# Allegro board T736_DEMO_DBOARD_V0-5-draft.brd (continued)
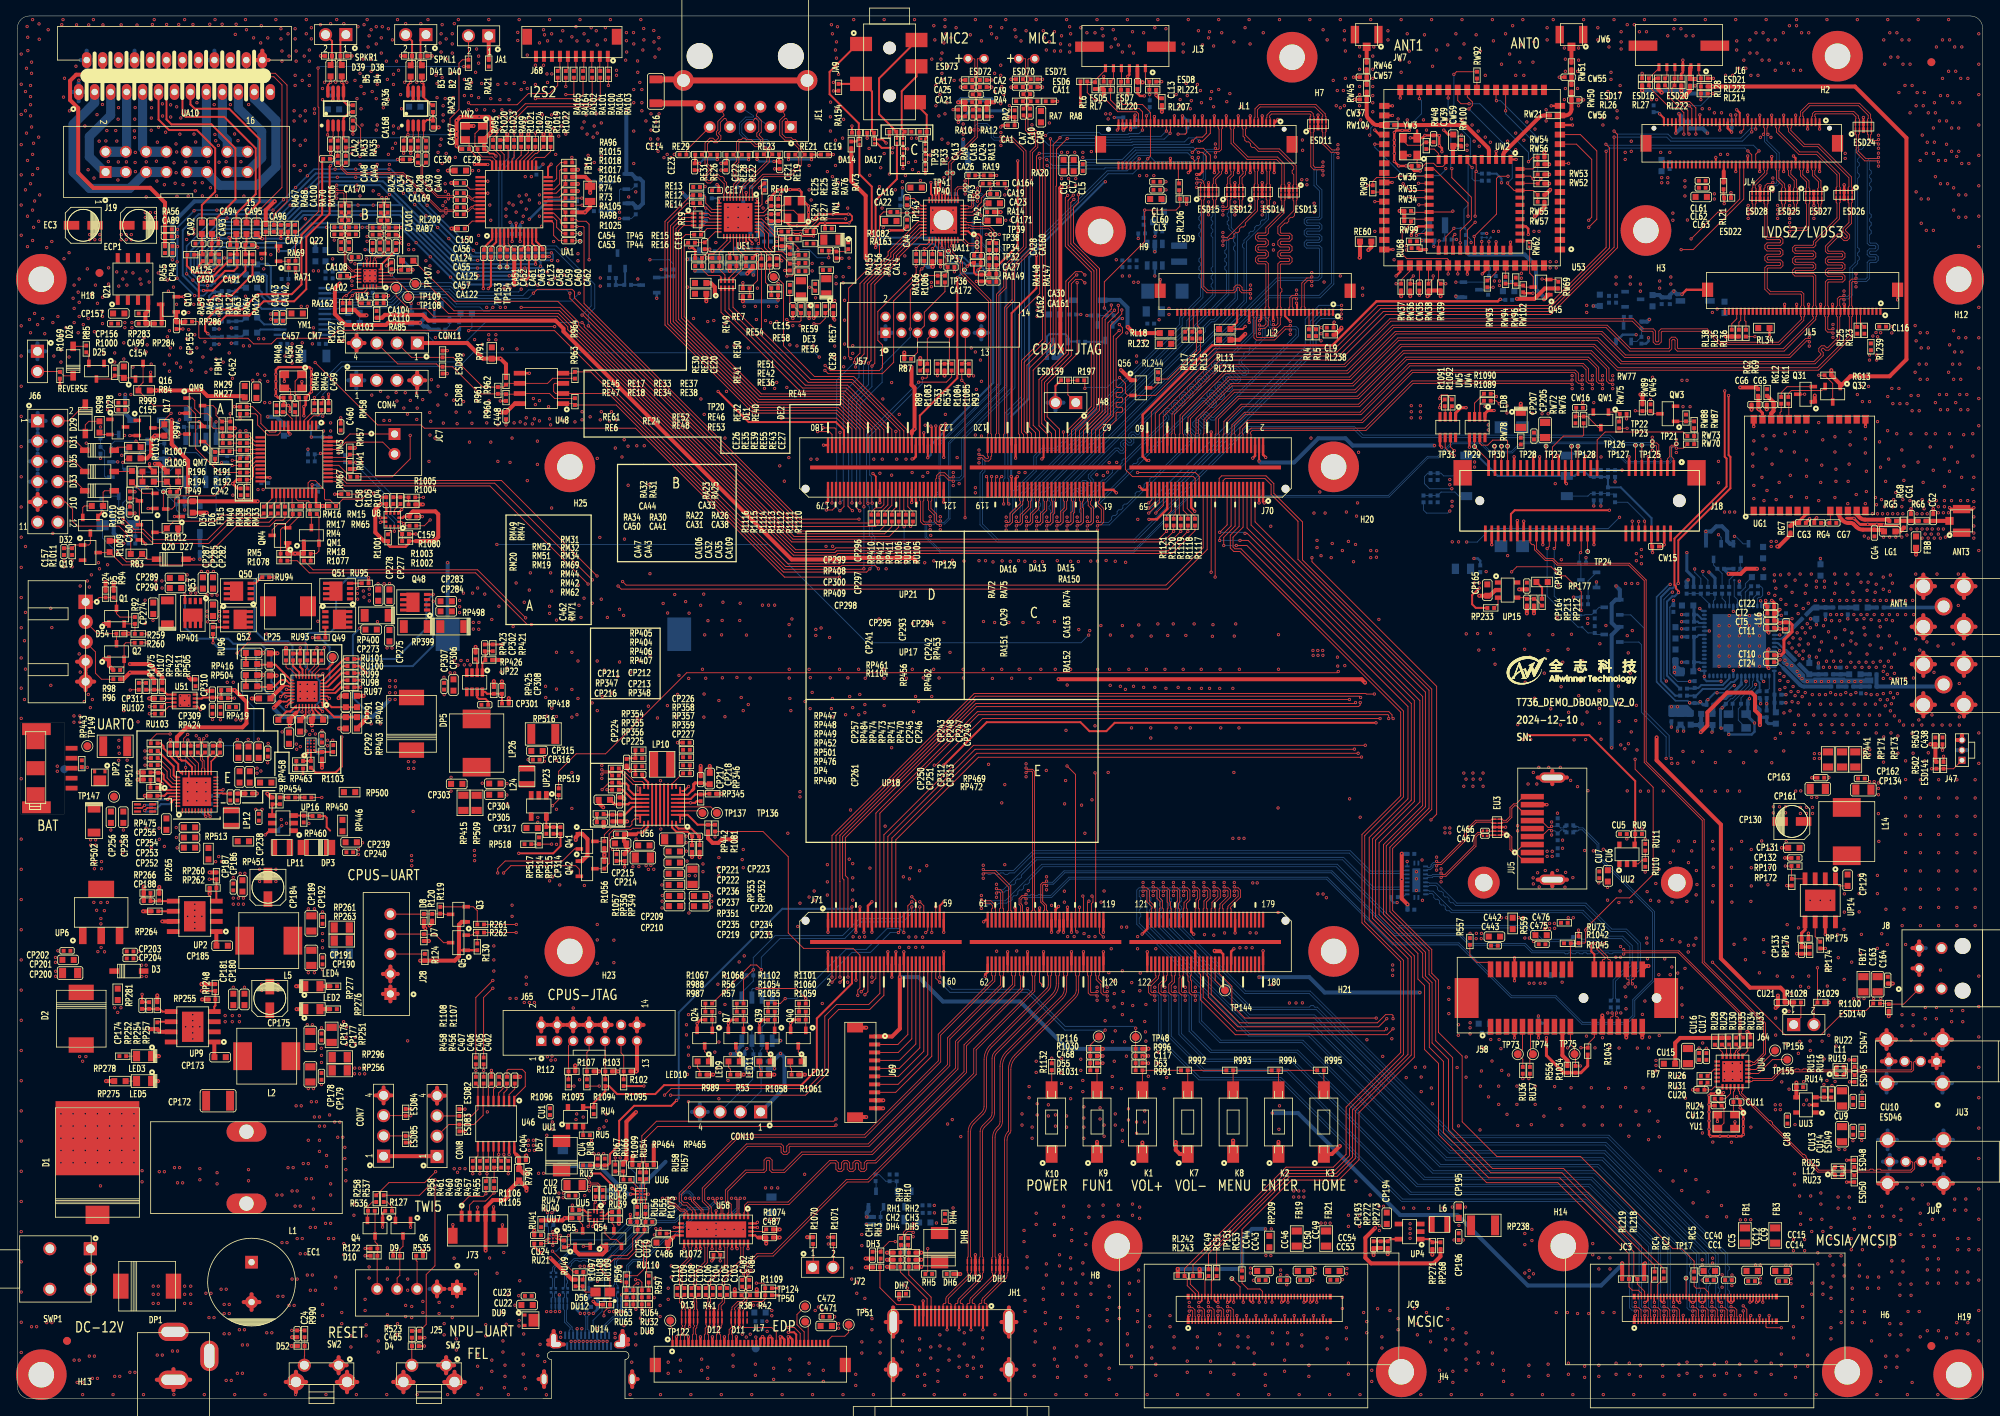
[diagram p0: board, top side]
## Nets (continued)
DCIN-12V: CA99.1 CL5.1 CL6.1 CL7.1 CL10.2 CL17.2 CL64.1 CL65.1 CL66.1 CP130.1 CP131.2 CP132.2 CP156.2 CP157.2 CP172.1 CP175.1 CP180.2 CP181.2 CP184.1 CP186.2 CP187.2 CP209.2 CP210.2 D2.1(A) DP5.2(K) J71.178(P178) JL1.72(P72) JL1.74(P74) JL1.76(P76) JL1.78(P78) JL1.80(P80) JL4.72(P72) JL4.74(P74) JL4.76(P76) JL4.78(P78) JL4.80(P80) L1.2 Q21.1(S-1) Q21.2(S-2) Q21.3(S-3) QL1.2(S) QL3.2(S) R191.2 R559.1 RL8.1 RL29.1 RP170.1 RP248.2 RP260.1 RP275.2 RP283.2 RP345.1 U56.15(IN) UP2.3(IN) UP9.3(IN) UP14.3(IN)
DP-AUXN-1: C484.2 D11.2(IN2) D11.9(OUT2) JL7.16(25_EDP_AUX_CH_N) R38.1
DP-AUXN-C: C225.1 C484.1 J71.86(P86)
DP-AUXN-C-1: C225.2 DU8.2(CATHODE) JU2.B8(SBU2) RU32.1 RU64.2 UU7.A3(SNS2) UU7.B3(CON2)
DP-AUXP-1: C482.2 D11.1(IN1) D11.10(OUT1) JL7.15(26_EDP_AUX_CH_P) R41.2
DP-AUXP-C: C224.1 C482.1 J71.84(P84)
DP-AUXP-C-1: C224.2 DU14.2(CATHODE) JU2.A8(SBU1) RU63.2 RU65.1 UU7.A1(SNS1) UU7.B1(CON1)
DP-TX0N-1: C105.2 D12.2(IN2) D12.9(OUT2) JL7.12(29_EDP_RX_0N)
DP-TX0P-1: C103.2 D12.1(IN1) D12.10(OUT1) JL7.13(28_EDP_RX_0P)
DP-TX1N-1: C106.2 D12.5(IN4) D12.6(OUT4) JL7.9(32_EDP_RX_1N)
DP-TX1P-1: C104.2 D12.4(IN3) D12.7(OUT3) JL7.10(31_EDP_RX_1P)
DP-TX2N-1: C108.2 D13.2(IN2) D13.9(OUT2) JL7.6(35_EDP_RX_2N)
DP-TX2P-1: C107.2 D13.1(IN1) D13.10(OUT1) JL7.7(34_EDP_RX_2P)
DP-TX3N-1: C110.2 D13.5(IN4) D13.6(OUT4) JL7.3(38_EDP_RX_3N)
DP-TX3P-1: C109.2 D13.4(IN3) D13.7(OUT3) JL7.4(37_EDP_RX_3P)
DRV: RU26.2 UU4.21(DRV)
DSP-OUTLF: CA58.2 RA59.1
DSP-OUTLR: CA59.2 RA61.1
DSP-OUTRF: CA62.2 RA64.1
DSP-OUTRR: CA60.2 RA63.1
DSP-SCK: Q25.3(D) R72.1 R74.2
DSP-SDA: Q26.3(D) R71.1 R73.2
DSP-XTI: CE29.2 UA1.35(XTI) YN2.1(XIN)
DSP-XTO: CE30.2 UA1.36(XTO) YN2.3(XOUT)
EDP-HPD: D11.4(IN3) D11.7(OUT3) J71.88(P88) JL7.27(14_EDP_HPD) R42.2 R1109.1
EDP-SEL: J72.2 R1071.2 R1072.2 U58.30(SEL)
EDP-TX0N: C105.1 U58.36(B0N)
EDP-TX0P: C103.1 U58.37(B0P)
EDP-TX1N: C106.1 U58.32(B1N)
EDP-TX1P: C104.1 U58.33(B1P)
EDP-TX2N: C108.1 U58.27(B2N)
EDP-TX2P: C107.1 U58.28(B2P)
EDP-TX3N: C110.1 U58.23(B3N)
EDP-TX3P: C109.1 U58.24(B3P)
EPHY-CLK-25M: J70.170(P170) RE25.1
EXT-3V3: C158.2 C159.2 D36.2 FB15.2 R1001.1 R1002.1 U8.3(VDIO) U8.7(VDD)
FM-DSP-L: CA51.2 UA1.1(AINL2)
FM-DSP-R: CA52.2 UA1.2(AINR2)
FM-OUT-L: CA51.1 RT2.2
FM-OUT-R: CA52.1 RT1.2
FM-SCK: Q27.3(D) RT3.2 RT7.1
FM-SDA: Q28.3(D) RT4.2 RT8.1
GATEB: Q48.4(G) RU97.2 RU99.2 RU101.2
GPADC3: J69.2 J71.42(P42)
GPADC4: J69.3 J71.44(P44)
GPADC5: J69.4 J71.46(P46)
GPADC6: J69.5 J71.48(P48)
GPADC7: J69.6 J71.50(P50)
GPADC8: J69.7 J71.52(P52)
GPADC9: J69.8 J71.54(P54)
GPIOA8-RX: T115.1(TP) UW2.30(TCXO_IN)
GPIOA9-TX: RW33.1 T112.1(TP) UW2.29(VDD_TCXO)
GPS-RESETN: CG7.1 RG4.1 UG1.8(PRRSTX)
GPS-RXD0: Q32.2(S) RG11.1
GPS-TXD0: Q31.2(S) RG12.1
GSENSOR-INT1: R104.1 U8.5(INT1)
GSENSOR-INT2: R105.1 U8.6(INT2)
HBIAS: CA27.1 J70.134(P134) RA149.2 UA11.2(HBIAS)
HCEC: J71.116(P116) RH5.1
HD1: RU93.1 UP21.32(HD1)
HD2: RU94.1 UP21.24(HD2)
HDMI-CEC: DH6.2(CATHODE) DH8.2 JH1.13(CEC) RH5.2
HDMI-SCL: CH3.2 DH5.2(CATHODE) JH1.15(SCL) RH2.1 RH10.2
HDMI-SDA: CH2.2 DH4.2(CATHODE) JH1.16(SDA) RH1.1 RH9.2
HHPD: CH1.2 J71.118(P118) RH3.1
HP-DET: J70.130(P130) RA76.1 UA11.35(HP-DET)
HP-DET-1: DA14.2(CATHODE) JA9.1(E) RA76.2 RA94.1
HP-MIC: CA30.1 CA162.1 J70.132(P132) RA72.1 RA148.2 RA149.1 RU21.2
HP-MIC-N: CA30.2 CA161.1 DA17.2(CATHODE) JA9.3(C) RA73.2 RA147.2 RA154.2
HPOUTFB: J70.126(P126) RA73.1 RU49.2 UA11.18(HPOUTFB)
HPOUTFB-C: RU49.1 UU7.A2(SENSE)
HPOUTL: CA163.1 J70.124(P124) RA74.1 RU47.2 UA11.17(HPOUTL)
HPOUTL-1: DA15.2(CATHODE) JA9.4(D) RA74.2 RA150.1
HPOUTL-C: RU47.1 UU5.3(HPOUTL)
HPOUTR: CA29.1 J70.128(P128) RA75.1 RU48.2 UA11.19(HPOUTR)
HPOUTR-1: DA13.2(CATHODE) JA9.2(B) RA75.2
HPOUTR-C: RU48.1 UU5.9(HPOUTR)
HS-MIC-1: DA16.2(CATHODE) JA9.5(A) RA72.2
HS-MIC-C: RU21.1 UU7.C3(MIC)
HSCL: J71.112(P112) RH10.1
HSDA: J71.114(P114) RH9.1
HTX0N: DH2.2(IN2) DH2.9(OUT2) J71.96(P96) JH1.9(D0N)
HTX0P: DH2.1(IN1) DH2.10(OUT1) J71.98(P98) JH1.7(D0P)
HTX1N: DH1.5(IN4) DH1.6(OUT4) J71.100(P100) JH1.6(D1N)
HTX1P: DH1.4(IN3) DH1.7(OUT3) J71.102(P102) JH1.4(D1P)
HTX2N: DH1.2(IN2) DH1.9(OUT2) J71.106(P106) JH1.3(D2N)
HTX2P: DH1.1(IN1) DH1.10(OUT1) J71.108(P108) JH1.1(D2P)
HTXCN: DH2.5(IN4) DH2.6(OUT4) J71.92(P92) JH1.12(CLKN)
HTXCP: DH2.4(IN3) DH2.7(OUT3) J71.94(P94) JH1.10(CLKP)
HUB-DM1: J18.36(USB_D-) UU4.11(DM1)
HUB-DM3: L11.1 RU19.1 UU4.7(DM3)
HUB-DM4: L12.1 RU23.1 UU4.5(DM4)
HUB-DP1: J18.38(USB_D+) UU4.12(DP1)
HUB-DP3: L11.2 RU22.1 UU4.8(DP3)
HUB-DP4: L12.2 RU25.1 UU4.6(DP4)
HUB-IN-DM: RU34.2 UU4.14(DMU)
HUB-IN-DP: RU35.2 UU4.15(DPU)
HUB-REXT: RU33.2 UU4.13(REXT)
HUB-XIN: CU11.1 UU4.4(XIN) YU1.1(XIN)
HUB-XOUT: RU24.1 UU4.3(XOUT)
I2S2-BCLK: R1113.2 RA99.1 RA104.2 U57.5(DEM/SCLK)
I2S2-DOUT0: R1115.2 RA96.1 RA102.1 U57.2(SDIN1)
I2S2-DOUT1: R1116.2 RA97.1 RA101.1 U57.3(SDIN2)
I2S2-DOUT2: R1025.2 R1110.2 RA164.1 U57.4(SDIN3)
I2S2-LRCK: R1114.2 RA95.1 RA100.1 RL234.2 U57.6(LRCK)
I2S2-MCLK: R1112.2 RA103.2 RL235.2 U57.7(MCLK)
I2S4-BCLK: R1089.1 R1118.2 TP108.1(TP) UA3.1(BCLK)
I2S4-DIN: R1091.1 R1120.2 UA3.3(PDMDAT/DOUT)
I2S4-LRCK: R1090.1 R1119.2 TP107.1(TP) UA3.2(PDMCLK/LRCK)
I2S4-MCLK: R1117.2 TP109.1(TP) UA3.20(MCLK)
ILL-DET: D33.2 J10.8
INTB: RE11.2 UE1.31(INTB/PMEB)
IRQ-AXP2601: RP422.1 RP511.1 RU107.1 U51.5(IRQ)
IRQ-T: RT13.1 RT16.1 UT1.50(IRQ)
LCD0-BL-PWM: ESD10.2(CATHODE) J70.35(P35) JL1.45(P45) Q56.2(S) R197.1 RL15.2
LCD0-BL-PWM-R: JL2.35(LED_PWM) Q56.3(D) RL15.1 RL244.2
LCD0-BL-PWREN: ESD9.2(CATHODE) J70.33(P33) RL11.1 RL206.1 RL228.1
LCD0-D0: J70.100(P100) JL1.35(P35)
LCD0-D1: J70.98(P98) JL1.33(P33)
LCD0-D8: J70.104(P104) JL1.36(P36)
LCD0-D9: J70.102(P102) JL1.34(P34)
LCD0-D16: J70.94(P94) JL1.53(P53)
LCD0-D17: J70.96(P96) JL1.55(P55)
LCD0-HSYNC: J70.117(P117) JL1.40(P40)
LCD0-VSYNC: J70.119(P119) JL1.42(P42)
LCD1-BL-PWM: ESD23.2(CATHODE) J71.55(P55) JL4.45(P45) JL7.33(8_BL_PWMI) RL36.2
LCD1-BL-PWREN: ESD22.2(CATHODE) J71.57(P57) JL7.32(9_BL_EN) RL21.1 RL32.1
LCD1-CLK: J70.51(P51) JL4.39(P39)
LCD1-DE: J70.53(P53) JL4.43(P43)
LCD1-HSYNC: J70.55(P55) JL4.40(P40)
LCD1-VSYNC: J70.57(P57) JL4.42(P42)
LCD-D20: J70.52(P52) JL4.33(P33)
LCD-D21: J70.54(P54) JL4.35(P35)
LCD-D22: J70.56(P56) JL4.34(P34)
LCD-D23: J70.58(P58) JL4.36(P36)
LD1: RU95.2 UP21.29(LD1)
LD2: RU96.2 UP21.27(LD2)
LED0/CFG-EXT: CE26.2 RE32.1 RE35.1 RE41.2 RE42.1 UE1.32(LED0/CFG_EXT)
LED1/CFG-LDO0: CE27.2 RE40.1 RE43.1 RE50.2 RE51.1 UE1.33(LED1/CFG_LDO0)
LED2/CFG-LDO1: CE28.2 RE49.2 RE54.1 RE56.1 RE57.1 UE1.34(LED2/CFG_LDO1)
LEFTTURN-DET: D31.2 J10.4
LINEOUT-DSP-LN: CA124.2 UA1.42(INN1/GNDINL1)
LINEOUT-DSP-LP: CA55.2 UA1.43(INP1/AINL1)
LINEOUT-DSP-RN: CA125.2 UA1.44(INN2/GNDINR1)
LINEOUT-DSP-RP: CA57.2 UA1.45(INP2/AINR1)
LINEOUTLN: CA26.2 CA40.2 CA124.1 J18.3(NC/MICN) J70.133(P133) TP21.1(TP) TP41.1(TP) UA11.12(SPOLN)
LINEOUTLP: CA39.2 CA55.1 J18.1(WAKE#/MICP) J70.131(P131) RW70.1 TP40.1(TP) UA11.11(SPOLP)
LINEOUTRN: CA49.2 CA125.1 CA164.2 J70.129(P129) TP43.1(TP) UA11.10(SPORN)
LINEOUTRP: CA48.2 CA57.1 J70.127(P127) TP42.1(TP) UA11.9(SPORP)
LRADC0: C117.2 D53.2(CATHODE) J71.58(P58) R991.1 R996.2 TP48.1(TP)
LRADC1: C468.2 D55.2(CATHODE) J71.56(P56) R1030.2 R1031.1 TP116.1(TP)
LRCK2: R1020.2 UA1.33(LRCK2)
LRCK3: R1023.2 UA1.32(LRCK3/JX0/SDIN4)
LSSET: RP412.2 UP21.15(LSET)
LTE-MODULE-RST: CW17.2 J18.22(4G-PERST#) QW2.3(C)
LTE-PWR: CP165.2 CP205.1 CP206.1 CP207.2 CP208.2 J18.2(VCC3) J18.39(VCC1) J18.41(VCC2) J18.52(VCC4) RP171.2 RP173.2 RP233.1 RW72.2 RW78.1 UP15.1(IN)
LVDS0-CKN: ESD13.4(IN3) ESD13.7(OUT3) J70.69(P69) JL1.21(P21) JL2.17(CLK1INN)
LVDS0-CKP: ESD13.5(IN4) ESD13.6(OUT4) J70.67(P67) JL1.23(P23) JL2.18(CLK1INP)
LVDS0-D0N: ESD11.1(IN1) ESD11.10(OUT1) J70.79(P79) JL1.3(P3) JL2.8(RXIN0N)
LVDS0-D0P: ESD11.2(IN2) ESD11.9(OUT2) J70.81(P81) JL1.5(P5) JL2.9(RXIN0P)
LVDS0-D1N: ESD11.4(IN3) ESD11.7(OUT3) J70.75(P75) JL1.9(P9) JL2.11(RXIN1N)
LVDS0-D1P: ESD11.5(IN4) ESD11.6(OUT4) J70.77(P77) JL1.11(P11) JL2.12(RXIN1P)
LVDS0-D2N: ESD13.1(IN1) ESD13.10(OUT1) J70.71(P71) JL1.15(P15) JL2.14(RXIN2N)
LVDS0-D2P: ESD13.2(IN2) ESD13.9(OUT2) J70.73(P73) JL1.17(P17) JL2.15(RXIN2P)
LVDS0-D3N: ESD15.1(IN1) ESD15.10(OUT1) J70.63(P63) JL1.27(P27) JL2.20(NC2)
LVDS0-D3P: ESD15.2(IN2) ESD15.9(OUT2) J70.65(P65) JL1.29(P29) JL2.21(NC3)
LVDS1-CKN: ESD14.1(IN1) ESD14.10(OUT1) J70.93(P93) JL1.12(P12)
LVDS1-CKP: ESD14.2(IN2) ESD14.9(OUT2) J70.95(P95) JL1.10(P10)
LVDS1-D0N: ESD15.4(IN3) ESD15.7(OUT3) J70.103(P103) JL1.30(P30)
LVDS1-D0P: ESD15.5(IN4) ESD15.6(OUT4) J70.101(P101) JL1.28(P28)
LVDS1-D1N: ESD12.1(IN1) ESD12.10(OUT1) J70.99(P99) JL1.24(P24)
LVDS1-D1P: ESD12.2(IN2) ESD12.9(OUT2) J70.97(P97) JL1.22(P22)
LVDS1-D2N: ESD12.4(IN3) ESD12.7(OUT3) J70.91(P91) JL1.18(P18)
LVDS1-D2P: ESD12.5(IN4) ESD12.6(OUT4) J70.89(P89) JL1.16(P16)
LVDS1-D3N: ESD14.4(IN3) ESD14.7(OUT3) J70.85(P85) JL1.6(P6)
LVDS1-D3P: ESD14.5(IN4) ESD14.6(OUT4) J70.87(P87) JL1.4(P4)
LVDS2-CKN: ESD26.4(IN3) ESD26.7(OUT3) J70.42(P42) JL4.21(P21) JL5.17(CLK1INN)
LVDS2-CKP: ESD26.5(IN4) ESD26.6(OUT4) J70.44(P44) JL4.23(P23) JL5.18(CLK1INP)
LVDS2-D0N: ESD24.1(IN1) ESD24.10(OUT1) J70.30(P30) JL4.3(P3) JL5.8(RXIN0N)
LVDS2-D0P: ESD24.2(IN2) ESD24.9(OUT2) J70.32(P32) JL4.5(P5) JL5.9(RXIN0P)
LVDS2-D1N: ESD24.4(IN3) ESD24.7(OUT3) J70.34(P34) JL4.9(P9) JL5.11(RXIN1N)
LVDS2-D1P: ESD24.5(IN4) ESD24.6(OUT4) J70.36(P36) JL4.11(P11) JL5.12(RXIN1P)
LVDS2-D2N: ESD26.1(IN1) ESD26.10(OUT1) J70.40(P40) JL4.15(P15) JL5.14(RXIN2N)
LVDS2-D2P: ESD26.2(IN2) ESD26.9(OUT2) J70.38(P38) JL4.17(P17) JL5.15(RXIN2P)
LVDS2-D3N: ESD28.1(IN1) ESD28.10(OUT1) J70.46(P46) JL4.27(P27) JL5.20(NC2)
LVDS2-D3P: ESD28.2(IN2) ESD28.9(OUT2) J70.48(P48) JL4.29(P29) JL5.21(NC3)
LVDS3-CKN: ESD27.5(IN4) ESD27.6(OUT4) J70.16(P16) JL4.12(P12)
LVDS3-CKP: ESD27.4(IN3) ESD27.7(OUT3) J70.18(P18) JL4.10(P10)
LVDS3-D0N: ESD28.5(IN4) ESD28.6(OUT4) J70.10(P10) JL4.30(P30)
LVDS3-D0P: ESD28.4(IN3) ESD28.7(OUT3) J70.8(P8) JL4.28(P28)
LVDS3-D1N: ESD25.5(IN4) ESD25.6(OUT4) J70.12(P12) JL4.24(P24)
LVDS3-D1P: ESD25.4(IN3) ESD25.7(OUT3) J70.14(P14) JL4.22(P22)
LVDS3-D2N: ESD25.2(IN2) ESD25.9(OUT2) J70.20(P20) JL4.18(P18)
LVDS3-D2P: ESD25.1(IN1) ESD25.10(OUT1) J70.22(P22) JL4.16(P16)
LVDS3-D3N: ESD27.2(IN2) ESD27.9(OUT2) J70.24(P24) JL4.6(P6)
LVDS3-D3P: ESD27.1(IN1) ESD27.10(OUT1) J70.26(P26) JL4.4(P4)
M-4G-RST: RW79.2 UM3.38(PA15/JTDI/SPI1_NSS)
M-4G-SLEEP: RW75.2 UM3.39(PB3/JTDO/SPI1_SCK)
M-4GPWR-ON: RP170.2 RP172.2 UM3.40(PB4/JNTRST/SPI1_MISO) UP14.4(EN)
M-ACC: Q17.3(C) R997.1 RM41.1
M-AP-PWRON: RM19.2 RM34.1
M-BAT-DET: R193.1 RM44.1
M-BRAKE: Q15.3(C) R86.1 RM35.1
M-DCIN-POWER-EN: RM29.1 RP248.1 RP255.1 UP9.4(EN)
M-DISP-5V-EN: QH5.1(B) RH23.2 RH25.2 RM31.1
M-EXT-POWER-EN: RM27.1 RP260.2 RP262.2 UP2.4(EN)
M-ILL: Q19.3(C) R1009.1 RM33.1
M-MCU-WAKE: R1005.2 R1098.2 RM46.2
M-PMU-WAKEUP: RM32.1 RM51.2
M-PWRON-AP: J71.109(P109) QM7.3(C)
M-REVERSE: Q16.3(C) R84.1 RM42.1
M-TURN-LEFT: Q18.3(C) R1006.1 RM38.2
M-TURN-RIGHT: Q20.3(C) R1012.1 RM40.2
M-WAKEUP-PMU: J71.113(P113) QM9.3(C) RM47.1 RM49.1
MBIAS: CA1.2 CA13.2 J70.108(P108) RA2.1 RA9.1 UA11.38(MBIAS)
MBIAS1: CA109.1 UA3.5(MICBIAS1)
MBIAS2: CA102.1 UA3.13(MICBIAS2)
MCSIA-CKN: J71.134(P134) JC3.15(P15)
MCSIA-CKP: J71.136(P136) JC3.17(P17)
MCSIA-D0N: J71.130(P130) JC3.9(P9)
MCSIA-D0P: J71.132(P132) JC3.11(P11)
MCSIA-D1N: J71.138(P138) JC3.21(P21)
MCSIA-D1P: J71.140(P140) JC3.23(P23)
MCSIA-D2N: J71.126(P126) JC3.3(P3)
MCSIA-D2P: J71.128(P128) JC3.5(P5)
MCSIA-D3N: J71.142(P142) JC3.27(P27)
MCSIA-D3P: J71.144(P144) JC3.29(P29)
MCSIA-FSIN0: JC3.34(P34) TP17.1(TP)
MCSIA-MCLK: J70.5(P5) RC4.1
MCSIA-PWDN: J70.23(P23) RC5.1
MCSIA-RESET: J70.21(P21) RC2.1
MCSIA-SCK: J70.7(P7) JC3.8(P8) RL218.1
MCSIA-SDA: J70.9(P9) JC3.6(P6) RL219.1
MCSIB-CKN: J71.133(P133) JC3.51(P51)
MCSIB-CKP: J71.131(P131) JC3.53(P53)
MCSIB-D0N: J71.129(P129) JC3.45(P45)
MCSIB-D0P: J71.127(P127) JC3.47(P47)
MCSIB-D1N: J71.137(P137) JC3.57(P57)
MCSIB-D1P: J71.135(P135) JC3.59(P59)
MCSIB-D2N: J71.125(P125) JC3.39(P39)
MCSIB-D2P: J71.123(P123) JC3.41(P41)
MCSIB-D3N: J71.141(P141) JC3.63(P63)
MCSIB-D3P: J71.139(P139) JC3.65(P65)
MCSIB-FSIN0: JC3.83(P83) TP152.1(TP)
MCSIC-CKN: J71.155(P155) JC9.15(P15)
MCSIC-CKP: J71.153(P153) JC9.17(P17)
MCSIC-D0N: J71.151(P151) JC9.9(P9)
MCSIC-D0P: J71.149(P149) JC9.11(P11)
MCSIC-D1N: J71.159(P159) JC9.21(P21)
MCSIC-D1P: J71.157(P157) JC9.23(P23)
MCSIC-D2N: J71.147(P147) JC9.3(P3)
MCSIC-D2P: J71.145(P145) JC9.5(P5)
MCSIC-D3N: J71.163(P163) JC9.27(P27)
MCSIC-D3P: J71.161(P161) JC9.29(P29)
MCSIC-FSIN0: JC9.34(P34) TP151.1(TP)
MCSIC-MCLK: J70.15(P15) RC49.1
MCSIC-PWDN: J70.19(P19) RC53.1
MCSIC-RESET: J70.17(P17) RC51.1
MCSIC-SCK: J70.11(P11) JC9.8(P8) RL242.1
MCSIC-SDA: J70.13(P13) JC9.6(P6) RL243.1
MCU-BOOTSEL0: RM63.1 RM70.1 UM3.44(BOOT0)
MCU-BOOTSEL1: RM62.1 RM71.1 UM3.20(PB2/BOOT1)
MCU-OVP-IRQ: J71.111(P111) RM69.1
MCU-RESET: C456.1 RM48.1 UM3.7(NRST)
MCU-SCK: R1079.1 RM57.2 U8.12(SCX) UM3.42(PB6/I2C1_SCL/USART1_TX)
MCU-SDA: R1080.1 RM58.2 U8.2(SDI) UM3.43(PB7/I2C1_SDA/USART1_RX)
MCU-SWCLK: CON4.3 RM67.1 UM3.37(PA14/JTCK/SWCLK)
MCU-SWDIO: CON4.2 RM65.2 UM3.34(PA13/JTMS/SWDIO)
MCU-UART1-RX: QM4.3(DRAIN) RM15.1 RM16.1 UM3.30(PA9/USART1_TX)
MCU-UART1-TX: QM1.3(DRAIN) RM4.1 RM17.1 UM3.31(PA10/USART1_RX)
MCU-X16MI: CM7.2 UM3.5(OSC_IN) YM1.1(XIN)
MCU-X16MO: RM50.2 UM3.6(OSC_OUT)
MDC: RE12.2 UE1.13(MDC)
MDI0+: JE1.1(TD0+) RE21.1 UE1.1(MDI[0]+)
MDI0-: JE1.2(TD0-) RE19.1 UE1.2(MDI[0]-)
MDI1+: JE1.3(TD1+) RE23.1 UE1.4(MDI[1]+)
MDI1-: JE1.6(TD1-) RE22.1 UE1.5(MDI[1]-)
MDI2+: JE1.4(TD2+) RE28.1 UE1.6(MDI[2]+)
MDI2-: JE1.5(TD2-) RE26.1 UE1.7(MDI[2]-)
MDI3+: JE1.7(TD3+) RE31.1 UE1.9(MDI[3]+)
MDI3-: JE1.8(TD3-) RE29.1 UE1.10(MDI[3]-)
MDIO: RE8.2 RE14.2 UE1.14(MDIO)
MIC-GND-SEL: J70.174(P174) UU7.B2(SEL)
MICIN1N: CA10.1 J70.110(P110) TP34.1(TP) UA11.1(MIC1N)
MICIN1N-AC107: CA35.2 UA3.6(MIC1N)
MICIN1N-MIC: CA9.1 CA10.2 CA11.2 ESD71.2(CATHODE) MIC1.2(-) RA7.1
MICIN1P: CA7.1 J70.112(P112) TP32.1(TP) UA11.40(MIC1P)
MICIN1P-AC107: CA32.2 UA3.7(MIC1P)
MICIN1P-MIC: CA2.1 CA7.2 CA9.2 ESD70.2(CATHODE) MIC1.1(+) RA4.1
MICIN2N: CA24.1 J70.116(P116) TP33.1(TP) UA11.13(MIC2N)
MICIN2N-AC107: CA47.2 UA3.12(MIC2N)
MICIN2N-MIC: CA21.1 CA24.2 CA25.2 ESD72.2(CATHODE) MIC2.2(-) RA12.1
MICIN2P: CA18.1 J70.114(P114) TP35.1(TP) UA11.14(MIC2P)
MICIN2P-AC107: CA43.2 UA3.11(MIC2P)
MICIN2P-MIC: CA17.1 CA18.2 CA21.2 ESD73.2(CATHODE) MIC2.1(+) RA10.1
MICIN3N: J18.7(NC/EARN) J70.118(P118) TP23.1(TP) TP36.1(TP) UA11.39(MIC3N)
MICIN3P: J18.5(NC/EARP) J70.120(P120) TP22.1(TP) TP37.1(TP) UA11.37(MIC3P)
MICIN4N: CA160.1 J70.123(P123) TP39.1(TP) UA11.4(MIC4N)
MICIN4P: CA28.1 J70.125(P125) TP38.1(TP) UA11.3(MIC4P)
MPREF: CA122.1 UA1.48(MPREF)
NCSI-D6: J71.148(P148) JC3.69(P69)
NCSI-D7: J71.150(P150) JC3.71(P71)
NPU-RX: J71.22(P22) R537.2
NPU-TX: J71.20(P20) R258.2
NTC: RP410.2 UP21.16(NTC)
OUT-L: CT38.1 RT2.1 UT1.25(DAC_L)
OUT-R: CT39.1 RT1.1 UT1.27(DAC_R)
OVCJ: CU20.2 RU31.2 UU4.1(OVCJ)
OVP-INT: R1104.2 RP461.2
OVP-INT-1: RP456.2 RP461.1 UP17.B1(ACOK#)
OWA-OUT: ESD140.2(CATHODE) J8.1(SIGIN) R1100.2
PANEL0-12V: DL1.2 RL18.1
PANEL1-12V: DL2.2 RL39.1
PCIE21-CLKREQN: J58.B12(CLKREQ#) J71.53(P53) R1043.1 R1108.1
PCIE21-PERSTN: J58.A11(PERST#) J71.45(P45) R1042.1 R1045.1 R1100.1
PCIE21-RDN: J58.A17(RXN) U59.16(B1N)
PCIE21-RDP: J58.A16(RXP) U59.17(B1P)
PCIE21-REFCLKN: J71.65(P65) R1036.1
PCIE21-REFCLKP: J71.63(P63) R1035.1
PCIE21-TDN: C447.1 U59.18(B0N)
PCIE21-TDP: C446.1 U59.19(B0P)
PCIE21-WAKEN: J58.B11(WAKE#) J71.51(P51) R1034.1 R1107.1 TP75.1(TP)
PCIE-SCK: J58.B5(SMCLK) RU36.2 TP73.1(TP)
PCIE-SDA: J58.B6(SMDAT) RU37.2 TP74.1(TP)
PCMCLK: J18.45(PCMCLK) TP28.1(TP) UW4.7(A1)
PCMDI: J18.47(PCM-DOUT) TP30.1(TP) UW5.6(A2)
PCMDOUT: J18.49(PCM-DIN) TP29.1(TP) UW5.7(A1)
PCMSYNC: J18.51(PCM-SYNC) TP31.1(TP) UW4.6(A2)
PD_I2C_SCL: Q41.3(D) R1056.1 U56.25(GPIO2/I2C_SCL2)
PD_I2C_SCL2: TP137.1(TP) U56.3(I2C_SCL1)
PD_I2C_SDA: Q42.3(D) R1057.1 U56.26(GPIO3/I2C_SDA2)
PD_I2C_SDA2: TP136.1(TP) U56.4(I2C_SDA1)
PD_IRQ: R1081.2 RP442.1 U56.2(GPIO9/IRQ_N)
PD_LDO_1V5: CP217.1 CP218.1 U56.7(LDO_1V5)
PD_LDO_3V3: CP214.1 CP215.1 R1056.2 R1057.2 RP349.2 U56.27(LDO_3V3)
PD_LDO_5V: CP211.1 CP212.1 U56.21(LDO_5V)
PD_NTC: RP349.1 RP350.2 U56.8(GPIO5/NTC)
PD_VBUS: CP219.2 CP220.2 CP233.2 CP234.2 CP235.2 RP351.2 RP352.2 RP507.1
PG10: J70.82(P82) R1104.1
PHYRSTB: CE17.2 J70.172(P172) RE13.2 UE1.12(PHYRSTB)
PMU-PWRON: J71.105(P105) R1132.1 RP447.2
PS-1: CP238.1 LP11.1 RP451.1 UP16.5(VIN)
PWM-CH4: ESD139.2(CATHODE) J48.1 R197.2
REF12: CA56.1 UA1.40(REF12)
REGOUT: CE6.2 LE1.1 RE2.1 UE1.30(REG_OUT)
REVERSE-DET: D26.2 J66.2 R1069.2
RF-IN: RG5.1 UG1.11(RF_IN)
RGMII0-CLKIN-125M: CE15.2 J70.146(P146) RE7.1
RGMII0-MDC: J70.168(P168) RE12.1
RGMII0-MDIO: J70.166(P166) RE14.1
RGMII0-RXCK: CE20.2 J70.140(P140) RE20.1 TP20.1(TP)
RGMII0-RXCTL: J70.142(P142) RE30.1
RGMII0-RXD0: J70.144(P144) RE24.4(R4)
RGMII0-RXD1: J70.148(P148) RE24.3(R3)
RGMII0-RXD2: J70.150(P150) RE24.2(R2)
RGMII0-RXD3: J70.152(P152) RE24.1(R1)
RGMII0-TXCK: J70.154(P154) RE16.1
RGMII0-TXCTL: J70.156(P156) RE15.1
RGMII0-TXD0: J70.158(P158) RE9.4(R4)
RGMII0-TXD1: J70.160(P160) RE9.3(R3)
RGMII0-TXD2: J70.162(P162) RE9.2(R2)
RGMII0-TXD3: J70.164(P164) RE9.1(R1)
RIGHTTURNDET: D35.2 J10.6
RSET: RE10.2 UE1.39(RSET)
RST-AC107: R1092.1 R1121.2 RL209.1
RST-CS4361: R1111.2 RA165.1 RL237.1
RSTN-T: CT40.2 RT14.1 RT17.1 UT1.49(RSTN)
RTC-BAT: D46.1 R1032.2
RTC-INT: R158.2 R1062.1 U43.3(NINT)
RTC-SCK: Q23.3(D) R470.1 R785.1 U43.6(SCL)
RTC-SDA: Q9.3(D) R465.1 R784.1 U43.5(SDA)
RTCLDO-BMU-ONBOARD: CP261.2 RP501.2 UP18.34(RTCLDO)
RX1: CON7.3 ESD84.2(CATHODE) R457.1 U46.13(R1IN)
RX2: CON8.3 ESD82.2(CATHODE) R458.1 U46.8(R2IN)
RX-1N: EU2.1(IO1) EU2.10(NC_10) JU2.B10(RX1-) LU5.3 RU43.1
RX-1P: EU2.2(IO2) EU2.9(NC_9) JU2.B11(RX1+) LU5.4 RU45.1
RX-2N: EU1.5(IO4) EU1.6(NC_6) JU2.A10(RX2-) LU4.4 RU20.1
RX-2P: EU1.4(IO3) EU1.7(NC_7) JU2.A11(RX2+) LU4.3 RU18.1
RXC/PHYAD1: RE20.2 RE46.2 RE53.1 UE1.27(RXC/PHYAD1)
RXCTL/PHYAD2: RE30.2 RE48.1 RE52.2 UE1.26(RXCTL/PHYAD2)
RXD0/RXDLY: RE24.5(R5) RE37.2 RE38.1 UE1.25(RXD0/RXDLY)
RXD1/TXDLY: RE24.6(R6) RE33.2 RE34.1 UE1.24(RXD1/TXDLY)
RXD2/PLLOFF: RE17.2 RE18.1 RE24.7(R7) UE1.23(RXD2/PLLOFF)
RXD3/PHYAD0: RE24.8(R8) RE45.2 RE47.1 UE1.22(RXD3/PHYAD0)
S-AMP-MUTE: JA1.2 RA5.1 RA24.2 UA2.1(SHDN#) UA4.1(SHDN#)
S-IR-RX: ESD141.2(CATHODE) J47.1(OUT) J71.12(P12) R502.1 R1093.1
S-TWI2-SCK: J71.24(P24) Q23.2(S) R469.1 R470.2 R1079.2 R1099.1
S-TWI2-SDA: J71.26(P26) Q9.2(S) R466.1 R784.2 R1080.2 R1097.1 R1103.1
S-UART1-RX: QM4.2(SOURCE) R1078.1 RM5.1 RM16.2
S-UART1-TX: QM1.2(SOURCE) R1077.1 RM4.2 RM18.1
SBU1-DC: J71.28(P28) R596.1
SBU1-DC-1: R596.2 RU63.1
SBU2-DC: J71.30(P30) R597.1
SBU2-DC-1: R597.2 RU64.1
SDIN2: R1019.2 UA1.27(SDIN2)
SDIN3: R1022.2 UA1.26(SDIN3/JX2)
SI: R1016.2 UA1.19(SI)
SIM-CLK: J18.12(UIM_CLK) RW86.2
SIM-DATA: J18.10(UIM_DATA) RW85.2
SIM-DET: CW14.2 J18.44(USIM_PRESENCE) RW83.2
SIM-RESET: CW18.2 ESD55.1(ANODE) J3.6(RST#) J18.14(UIM_RESET)
SIM-VCC: CW15.1 CW21.2 ESD54.1(ANODE) J3.2(VPP) J3.5(VCC) J18.8(UIM_PWR) RW83.1 RW84.1
SOC-FEL: C465.1 J71.117(P117) R523.1
SOC-RST: C24.1 J71.115(P115) R990.1 RP448.2
SPKL+: B3.1 RA23.2 UA2.8(VON)
SPKL-: B2.1 RA25.2 RA29.2 UA2.5(VOP)
SPKR+: B5.1 RA31.2 UA4.8(VON)
SPKR-: B4.1 RA32.2 RA36.2 UA4.5(VOP)
SW1: CP294.1 LP25.1 Q49.1(S1) Q49.2(S2) Q49.3(S3) Q51.5(D1) UP21.30(SW1)
SW2: CP295.1 LP25.2 Q50.1(S1) Q50.2(S2) Q50.3(S3) Q52.5(D1) UP21.26(SW2)
SY8113B-OUT: CP302.1 CP303.1 CP304.1 CP305.1 LP26.2 RP415.2 RP421.2 RP509.2
SYS-LED0: R56.1 R1068.2
SYS-LED1: R988.1 R1067.2
SYS-LED2: R1060.1 R1101.2
SYS-LED3: R1054.1 R1102.2
TESTI: R1015.2 UA1.21(TESTI)
TS: JP11.3 RP410.1 RP443.2 RP457.2
TS-1: JP12.2(TS) RP457.1 RP490.1 TP148.1(TP)
TWI0-CTP0-SCK: ESD6.2(CATHODE) J70.113(P113) JL1.69(P69) JL3.6(SCL) RL6.1
TWI0-CTP0-SDA: ESD5.2(CATHODE) J70.115(P115) JL1.67(P67) JL3.5(SDA) RL7.1
TWI5-SCK: J71.47(P47) J73.1 Q29.2(S) Q41.2(S) R1105.1 RU36.1
TWI5-SDA: J71.49(P49) J73.2 Q30.2(S) Q42.2(S) R1106.1 RU37.1
TWI7-AC107-SCK: J70.176(P176) Q25.2(S) Q27.2(S) R70.1 R1027.1 RA156.1 UA3.16(SCK)
TWI7-AC107-SDA: J70.178(P178) Q26.2(S) Q28.2(S) R69.1 R1026.1 RA155.1 UA3.17(SDA)
TX1: CON7.2 ESD85.2(CATHODE) R455.1 U46.14(T1OUT)
TX2: CON8.2 ESD83.2(CATHODE) R456.1 U46.7(T2OUT)
TX-1N: EU2.4(IO3) EU2.7(NC_7) JU2.A3(TX1-) LU3.3 RU17.1
TX-1P: EU2.5(IO4) EU2.6(NC_6) JU2.A2(TX1+) LU3.4 RU46.1
TX-2N: EU1.1(IO1) EU1.10(NC_10) JU2.B3(TX2-) LU7.3 RU42.1
TX-2P: EU1.2(IO2) EU1.9(NC_9) JU2.B2(TX2+) LU7.4 RU44.1
TXC: CE18.1 RE16.2 UE1.20(TXC)
TXCTL: RE15.2 UE1.19(TXCTL)
TXD0: RE9.5(R5) UE1.18(TXD0)
TXD1: RE9.6(R6) UE1.17(TXD1)
TXD2: RE9.7(R7) UE1.16(TXD2)
TXD3: RE9.8(R8) UE1.15(TXD3)
TYPE-C-D+: DU10.2(CATHODE) JU2.A6(D2+) JU2.B6(D1+) LU6.2 RU50.2
TYPE-C-D-: DU11.2(CATHODE) JU2.A7(D2-) JU2.B7(D1-) LU6.1 RU51.2
TYPEC-DM: RU53.1 UU5.5(DM/L)
TYPEC-DM-1: RP471.1 RU67.1
TYPEC-DP: RU52.1 UU5.7(DP/R)
TYPEC-DP-1: RP470.1 RU66.1
U3-PCIE21-OE: R1037.2 U59.2(OEN)
U3-PCIE21-RXN: J71.73(P73) U59.8(A1N)
U3-PCIE21-RXP: J71.71(P71) U59.7(A1P)
U3-PCIE21-SEL: J64.2 R1029.2 U59.9(SEL)
U3-PCIE21-TXN: J71.69(P69) U59.4(A0N)
U3-PCIE21-TXP: J71.67(P67) U59.3(A0P)
UART2-RTS: J70.161(P161) R1082.1 R1085.1 U48.2(RE) U48.3(DE)
UART2-RX: J70.159(P159) R963.2 R1084.1 U48.1(RO)
UART2-TX: J70.157(P157) R964.2 R1083.1 U48.4(DI)
UART3-232-RX: R458.2 R958.2 R1108.2
UART3-232-TX: R456.2 R461.2 R1107.2
UART4-GPS-RX: J71.27(P27) Q32.3(D) RG13.1
UART4-GPS-TX: J71.25(P25) Q31.3(D)
UART5-232-RX: R457.2 R459.2 R1106.2
UART5-232-TX: R455.2 R460.2 R1105.2
UART6-CTS: J71.39(P39) R1102.1
UART6-RTS: J71.37(P37) R1101.1 U47.2(RE) U47.3(DE)
UART6-RX: J71.43(P43) R449.2 R1068.1 U47.1(RO)
UART6-TX: J71.41(P41) R450.2 R1067.1 U47.4(DI)
UART-0-CPUX-RX: J70.177(P177) R260.2
UART-0-CPUX-TX: J70.175(P175) R259.2
USB0-DM: J71.85(P85) RP405.1 RU67.2 UU5.2(USB-DM)
USB0-DP: J71.83(P83) RP404.1 RU66.2 UU5.10(USB-DP)
USB0-DRVVBUS: J71.14(P14) R1094.1 RU4.2 UU1.4(EN)
USB0-ID: R1097.2 RU108.2
USB0-VBUSDET: CU4.2 J71.13(P13) RU3.1 RU8.2
USB1-DM: J71.89(P89) RU34.1
USB1-DP: J71.91(P91) RU35.1
USB1-DRVVBUS: J71.16(P16) R1095.1 RU9.2 RU14.2 UU2.4(EN) UU3.4(EN)
USB2-DM: J71.77(P77) L10.1 RU12.1
USB2-DP: J71.79(P79) L10.2 RU13.1
USB2-SW: J70.29(P29) Q55.2(S)
USB2-SW-EN: J70.31(P31) Q54.2(S)
USB2-SW-EN-R: Q54.3(D) RU39.1 UU5.8(EN)
USB2-SW-R: Q55.3(D) RU40.1 UU5.4(SEL)
USB3-RXN: EU3.5(IO4) EU3.6(NC_6) JU5.5(SSRXN) U59.12(C1N)
USB3-RXP: EU3.4(IO3) EU3.7(NC_7) JU5.6(SSRXP) U59.13(C1P)
USB3-TXN: C466.1 U59.14(C0N)
USB3-TXN-1: C466.2 EU3.2(IO2) EU3.9(NC_9) JU5.8(SSTXN)
USB3-TXP: C467.1 U59.15(C0P)
USB3-TXP-1: C467.2 EU3.1(IO1) EU3.10(NC_10) JU5.9(SSTXP)
USBVBUS: CP242.1 CU2.2 CU3.2 CU22.1 CU23.1 D57.2 DU9.3 JU2.A4(VBUS1) JU2.A9(VBUS2) JU2.B4(VBUS3) JU2.B9(VBUS4) RP444.2 RP445.2 RP453.2 RP498.2 RP507.2 RU3.2 UP17.B3(IN2) UP17.C2(IN0) UP17.C3(IN1) UU6.A2(VBUS)
USBVBUS-H: CP283.1 CP284.1 Q48.1(S1) Q48.2(S2) Q48.3(S3) RP399.2 RP498.1 RU98.2 RU100.2 UP21.9(INDTB)
VD33: CU15.2 CU16.2 CU17.2 FB7.2 RU26.1 RU28.1 RU29.1 RU30.1 RU31.1 UU4.20(VD33)
VDRV: CP293.2 UP21.28(VDRV)
VLED0+: CL2.2 CL67.2 DL3.2 RL232.1 UL1.5(VOUT)
VLED0-: RL224.1 RL225.1 RL230.2 RL231.1
VSYS: CP281.1 CP282.1 CP285.1 CP286.1 CP287.1 CP288.1 CP306.1 CP307.1 DP5.1(A) Q50.5(D1) Q53.1(S1) Q53.2(S2) Q53.3(S3) RP418.2 UP21.23(VSYS) UP22.5(IN)
WAKEUP-IN: CW16.2 QW1.3(C) RW72.1 RW76.2
WAKEUP-OUT: RW70.2 RW73.2 RW87.2
WIFI-XTAL-IN: CW36.1 UW2.10(XTAL_IN) YW3.1(XIN)
WIFI-XTAL-OUT: RW48.1 UW2.11(XTAL_OUT)
WL-EN: Q46.3(D) RW93.1 RW97.1 UW2.12(WL_REG_ON)
WL-REG-ON: J71.11(P11) Q46.2(S) RW40.1 RW43.2
WL-SDIO-CLK: CW35.2 J70.62(P62) RW36.1 U53.51(SDIO_CLK_WL) UW2.17(SDIO_DATA_CLK)
WL-SDIO-CMD: J70.64(P64) RW37.1 U53.50(SDIO_CMD_WL) UW2.16(SDIO_DATA_CMD)
WL-SDIO-D0: J70.66(P66) RW35.1 U53.55(SDIO_D0_WL) UW2.18(SDIO_DATA_0)
WL-SDIO-D1: J70.68(P68) RW34.1 U53.54(SDIO_D1_WL) UW2.19(SDIO_DATA_1)
WL-SDIO-D2: J70.70(P70) RW39.1 U53.53(SDIO_D2_WL) UW2.14(SDIO_DATA_2)
WL-SDIO-D3: J70.72(P72) RW38.1 U53.52(SDIO_D3_WL) UW2.15(SDIO_DATA_3)
WL-WAKE-AP: J71.9(P9) RW98.1 UW2.13(WL_HOST_WAKE)
WL_INT_N: RW98.2 U53.42(SDIO_INT_N)
WREQIN: J71.152(P152) U53.30(CLK_REQ_OUT)
XRSTJ: RU30.2 UU4.16(XRSTJ)
XTAL-25MIN: CE24.2 RE27.2 UE1.36(XTAL_IN) YN1.1(XIN)
XTAL-25MOUT: CE25.2 RE25.2 UE1.37(XTAL_OUT/EXT_CLK) YN1.3(XOUT)
N17310318: D57.1 UU1.1(OUT)
N17310341: RU5.2 UU1.3(ISET)
N17311481: ESD43.2(CATHODE) JU5.2(DM) L10.4 RU12.2
N17311494: ESD42.2(CATHODE) JU5.3(DP) L10.3 RU13.2
N17311572: RU10.2 RU11.2 UU2.3(ISET)
N17526892: J24.3 R96.2
N17526894: D5.2(CATHODE) J24.1 Q1.3(D) R92.2 R94.1
N17526923: Q2.2(S) R98.2 R260.1
N17526934: D54.2(CATHODE) J24.2 Q2.3(D)
N17534062: Q1.2(S) R92.1 R259.1
N17535435: J28.3 R124.2
N17535437: D8.2(CATHODE) J28.5 Q3.3(D) R119.2 R120.1
N17535446: Q5.2(S) R130.2 R262.1
N17535460: D7.2(CATHODE) J28.4 Q5.3(D)
N17535579: Q3.2(S) R119.1 R261.1
N17700611: DH3.2(CATHODE) JH1.19(HOT_PLUG_DET) RH3.2
N17704013: DH8.1 RH4.2
N19372000: CP174.2 CP176.1 CP177.2 CP178.1 CP179.2 L2.2 RP247.1 RP251.1 RP252.2 RP253.1 RP256.1 RP259.1 RP296.1
N19372050: CP174.1 RP252.1 RP254.2 UP9.5(FB)
N19372315: RP257.2 UP9.6(FS)
N19372319: CP173.2 L2.1 UP9.2(LX)
N19375956: CP133.2 CP134.1 CP161.1 CP162.2 CP163.2 L14.2 RP171.1 RP173.1 RP176.2 RP441.1
N19376064: RP174.2 UP14.6(FS)
N19376070: CP129.1 L14.1 UP14.2(LX)
N19376082: CP133.1 RP175.2 RP176.1 UP14.5(FB)
N19376094: CP129.2 UP14.1(BS)
N19376526: CP166.2 RP177.1 RP212.2 UP15.5(OUT)
N19376534: CP164.2 RP212.1 RP213.1 UP15.4(FB/BP)
N19376562: RP233.2 UP15.3(EN)
N19388067: JL1.50(P50) RL206.2
N19388835: JL1.65(P65) RL40.1
N19391444: CL10.1 QL1.1(G) RL8.2 RL10.2
N19391480: CL11.2 CL12.2 DL1.1 QL1.3(D) RL9.1
N19391490: QL2.1(B) RL11.2 RL12.2
N19391591: QL2.3(C) RL10.1
N19391645: JL2.37(CABC_EN) RL17.1
N19391674: JL2.38(VLED0) JL2.39(VLED1) JL2.40(VLED2) RL18.2 RL232.2
N19391676: JL2.31(VFB1) JL2.32(VFB2) JL2.33(VFB3) RL13.2 RL231.2
N19391686: JL2.7(DATAEDID) RL4.2
N19391690: JL2.6(CLKEDID) RL5.2
N19391883: JL2.36(LED_EN) RL14.2
N19393896: JL4.50(P50) RL21.2
N19395511: CL17.1 QL3.1(G) RL29.2 RL31.2
N19395517: QL4.3(C) RL31.1
N19395539: CL18.2 CL19.2 DL2.1 QL3.3(D) RL30.1
N19395559: QL4.1(B) RL32.2 RL33.2
N19395675: JL5.37(CABC_EN) RL38.1
N19395720: JL5.31(VFB1) JL5.32(VFB2) JL5.33(VFB3) RL34.2
N19395722: JL5.38(VLED0) JL5.39(VLED1) JL5.40(VLED2) RL39.2
N19395730: JL5.6(CLKEDID) RL23.2
N19395732: JL5.7(DATAEDID) RL25.2
N19395736: JL5.35(LED_PWM) RL36.1
N19395903: JL5.36(LED_EN) RL35.2
N19405921: JC3.12(P12) RC4.2
N19405955: JC3.48(P48) RC5.2
N19405994: JC3.16(P16) RC2.2
N19406068: CC9.2 CC12.2 FB1.1 JC3.66(P66) JC3.68(P68) JC3.70(P70) JC3.72(P72)
N19406083: CC14.2 CC15.2 FB3.1 JC3.84(P84) JC3.86(P86) JC3.88(P88) JC3.90(P90)
N19409749: CW19.2 ESD57.1(ANODE) J3.7(CLK) RW86.1
N19409758: CW20.2 ESD56.1(ANODE) J3.3(I/O) RW84.2 RW85.1
N19419901: CE7.2 CE8.2 LE1.2 RE2.2 RE3.1 RE5.1
N19421134: DE1.1 RE32.2 RE36.1
N19421138: DE3.1 RE56.2 RE58.1
N19421140: DE2.1 RE40.2 RE44.1
N19421144: DE1.2 RE35.2 RE39.2
N19421176: DE2.2 RE43.2 RE55.2
N19421205: DE3.2 RE57.2 RE59.2
N19421285: CE19.2 RE19.2 RE21.2
N19421315: CE21.2 RE22.2 RE23.2
N19421329: CE22.2 RE26.2 RE28.2
N19421339: CE23.2 RE29.2 RE31.2